# Altium PCB 2-quilter-output.PcbDoc (part 6 of 26) (continued)
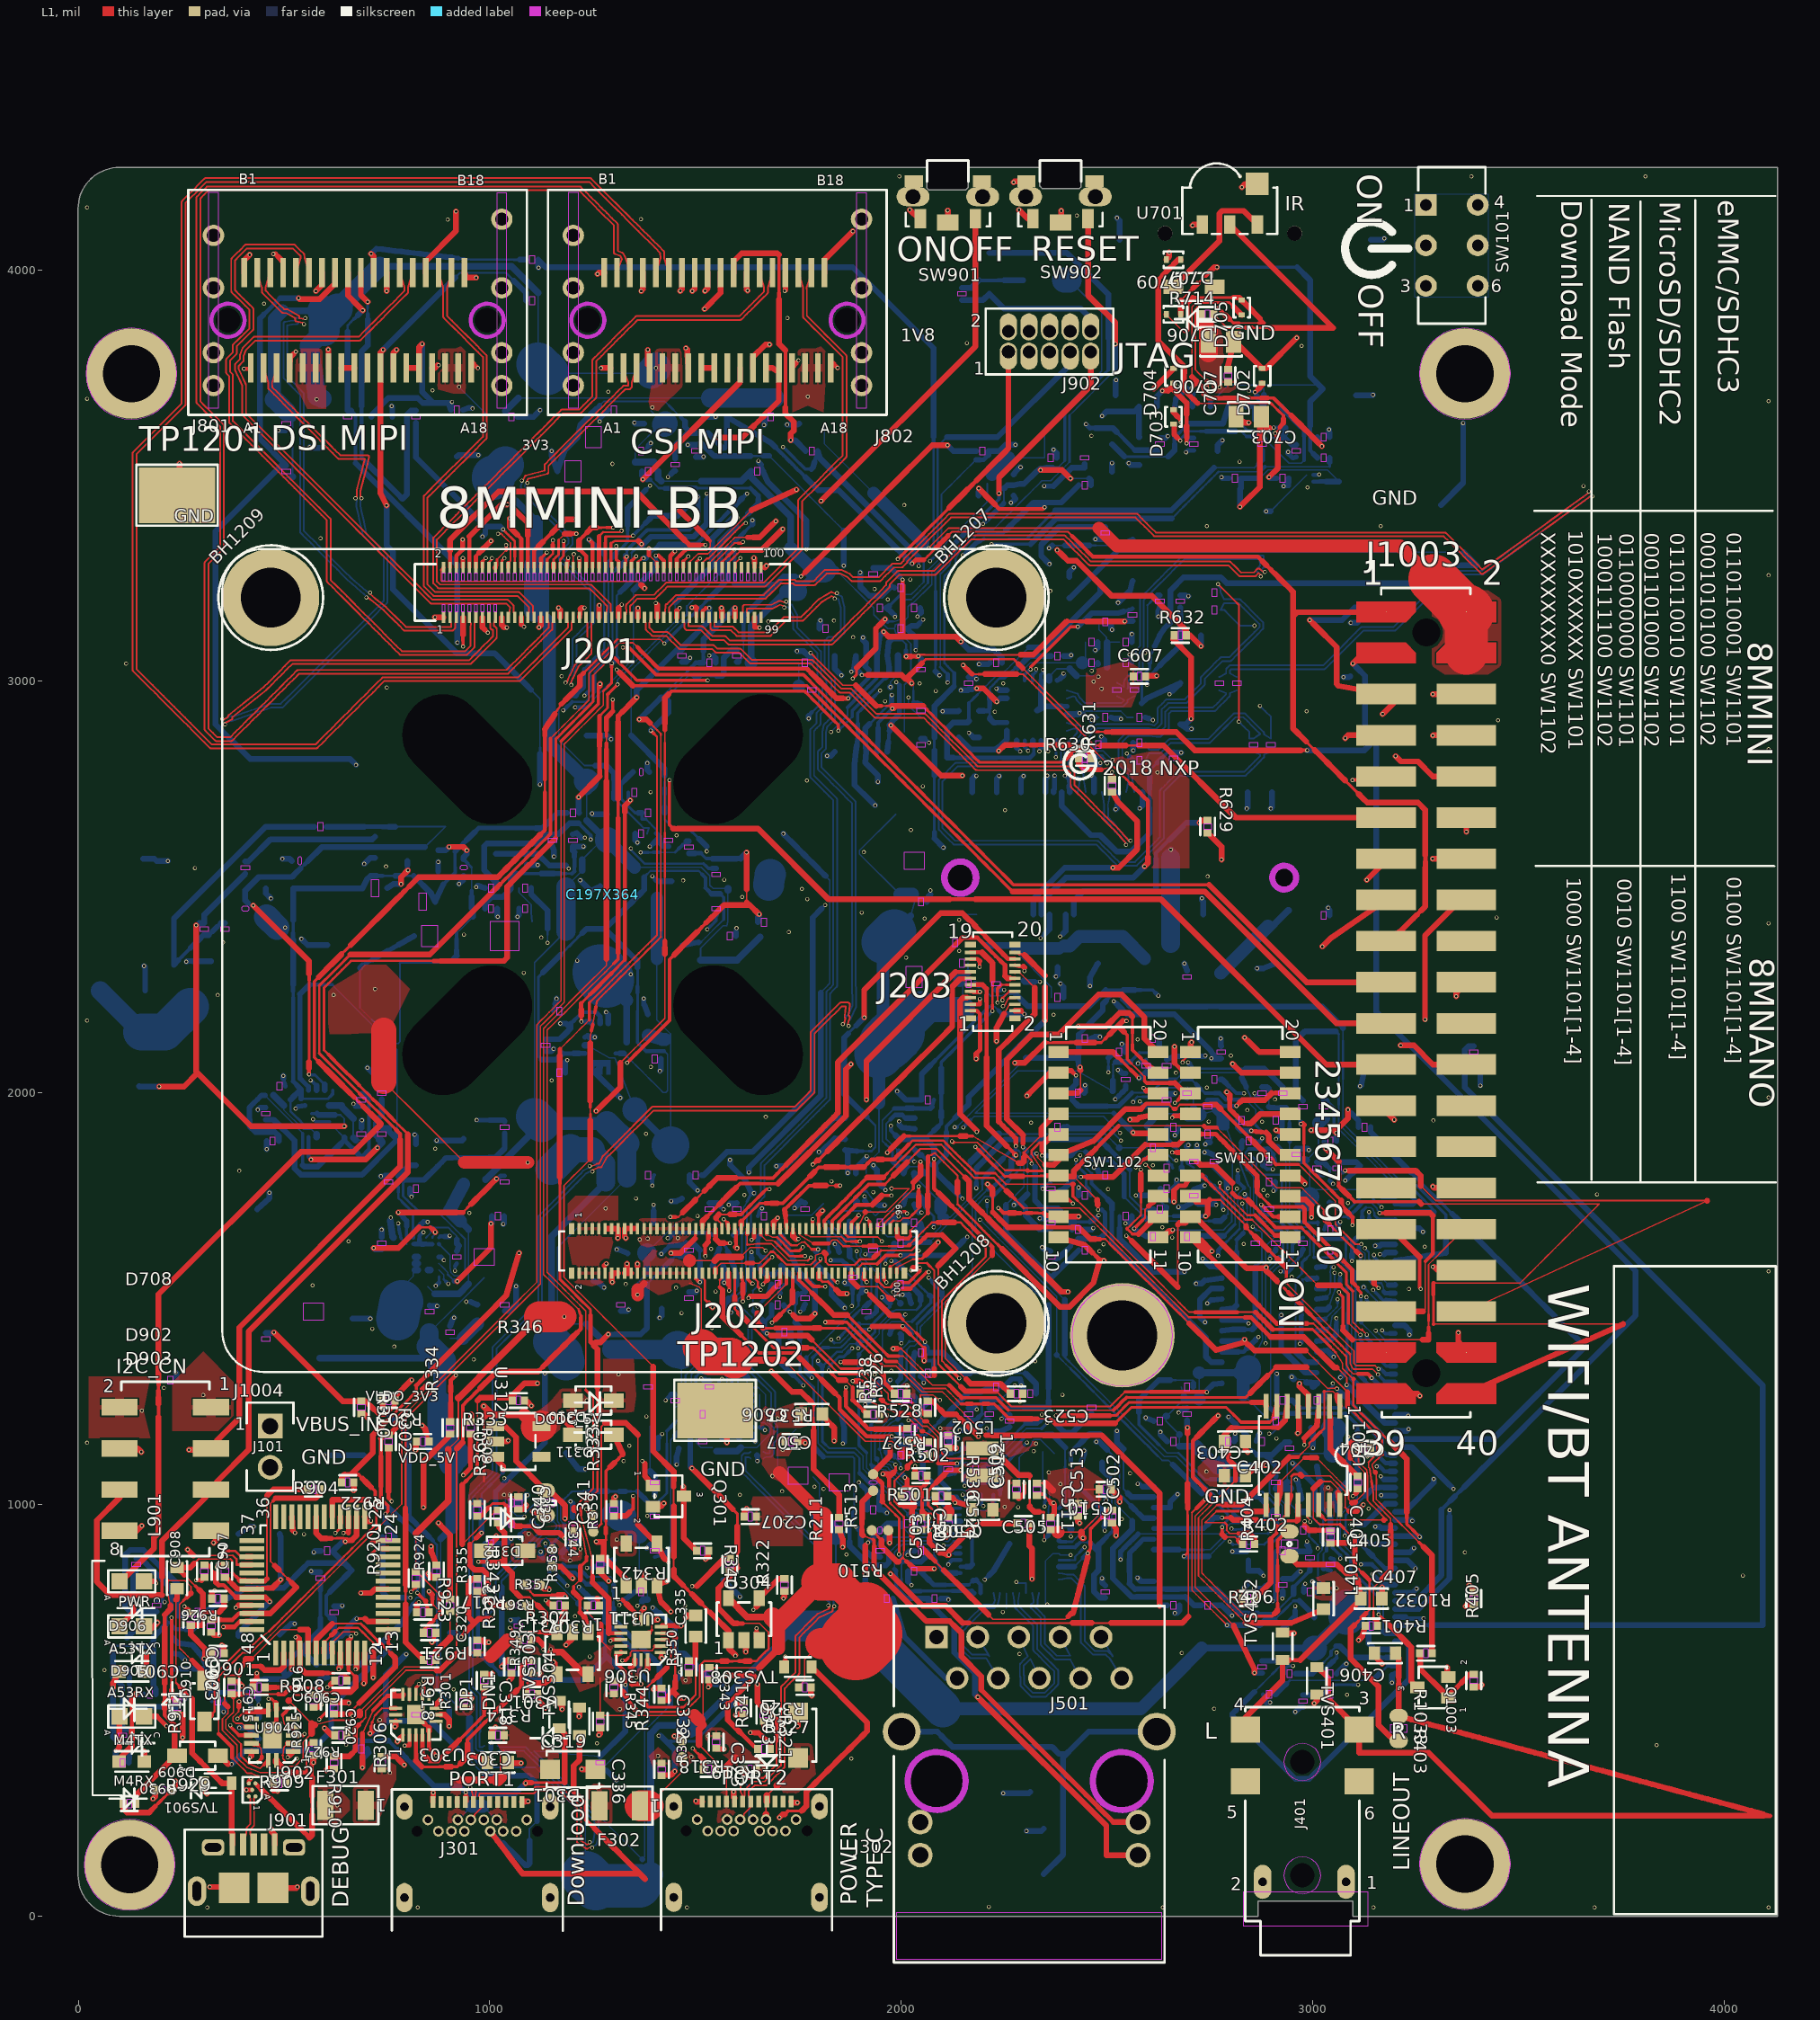
[diagram p0: L1 view]
## Nets (pads, with @x,y where several pads share a name; then routed paths per layer and width w, separated by ;. In a path a pad name is that pad's centre, name@x,y a point inside that pad or via, vN(x,y) a via of type N, cw(c..) or ccw(c..) an arc to the next point about the centre after c; other vN are vias at no path point) (continued)
DSI_EN: J202.54 J801.A11 R805.2 | length 3203.3
  L1 w7.92: J202.54@1627.26,1561.93 1627.26,1546.5 v1@1637.36,1536.4
  L1 w8.94: v1@1637.36,1536.4 v1(1639.32,1536.4)
  L1 w14.05: v1(740.88,3805.71) 734.17,3799 J801.A11@734.18,3761.22 734.17,3457.04 v1(749.33,3427.61)
  L3 w5.87: 1510.26,1648.41 1519.52,1639.16 1528.78,1629.9 v1(1538.03,1620.65)
  L3 w6.9: 1356.47,1905.49 1356.47,1890.45 1366.88,1880.04 1377.28,1869.64 1387.69,1859.23 1398.1,1848.82 1408.5,1838.42 1418.91,1828.01 1429.32,1817.61 1439.72,1807.2 1450.13,1796.79 1460.53,1786.39 1470.94,1775.98 1481.35,1765.57 1491.75,1755.17
  L3 w7.92: 1356.47,1905.49 1356.47,1920.54 ; 1491.75,1755.17 1491.75,1740.46 1491.75,1725.75 1491.75,1711.05 1491.75,1696.34 1491.75,1681.63 1491.75,1666.92 1501.01,1657.67 1510.26,1648.41
  L3 w14.05: v1(1122.41,2749.52) 1122.42,2639.45 1273.33,2488.54 1273.33,2229.35 1356.47,2146.21 1356.47,2131.17 1356.47,2116.12 1356.47,2101.08 1356.47,2086.03 1356.47,2070.99 1356.47,2055.94 1356.47,2040.9 1356.47,2025.85 1356.47,2010.81 1356.47,1995.76 1356.47,1980.72 1356.47,1965.67 1356.47,1950.63 1356.47,1935.58 1356.47,1920.54
  L6 w7.92: v1(1538.03,1620.65) 1548.56,1610.11
  L6 w8.94: 1630.8,1536.4 v1(1639.32,1536.4)
  L6 w13.03: 1611.74,1546.93 1622.27,1536.4 1630.8,1536.4
  L6 w14.05: 1548.56,1610.11 1559.09,1599.58 1569.62,1589.05 1580.15,1578.52 1590.68,1567.99 1601.21,1557.46 1611.74,1546.93
  L8 w3.83: 1100.41,2979.73 1111.44,2968.71 1122.41,2957.73 1122.41,2942.86 1122.41,2927.98 1122.41,2913.11 1122.41,2898.24 1122.41,2883.37 1122.41,2868.5 1122.41,2853.62 1122.41,2838.75
  L8 w4.85: 916.74,3981.57 927.65,3992.49 941.67,3992.49 955.68,3992.49 969.7,3992.49 983.71,3992.49 997.72,3992.49 1011.74,3992.49 1025.75,3992.49 1039.76,3992.49 1049.41,3982.84
  L8 w5.87: 1049.41,3982.84 1059.06,3973.19
  L8 w6.9: 1122.41,2823.88 1122.41,2838.75
  L8 w14.05: v1(740.88,3805.71) 752.98,3817.81 763.9,3828.73 774.82,3839.65 785.73,3850.56 796.65,3861.48 807.57,3872.4 818.48,3883.31 829.4,3894.23 840.32,3905.15 851.24,3916.07 862.15,3926.98 873.07,3937.9 883.99,3948.82 894.9,3959.73 905.82,3970.65 916.74,3981.57 ; v1(749.33,3427.61) 749.33,3329.76 765.33,3313.76 765.33,3223.27 920.66,3067.94 1012.2,3067.94 1023.23,3056.91 1034.26,3045.89 1045.28,3034.86 1056.31,3023.84 1067.33,3012.81 1078.36,3001.78 1089.39,2990.76 1100.41,2979.73 ; 1059.06,3973.19 1068.71,3963.54 1078.36,3953.89 1088.01,3944.24 R805.2@1088.01,3925.06 ; v1(1122.41,2749.52) 1122.41,2764.39 1122.41,2779.26 1122.41,2794.14 1122.41,2809.01 1122.41,2823.88
DSI_TS_NINT: J202.52 J801.B9 R801.2 | length 3048.9
  L1 w7.92: J202.52@1613.42,1548.98 1615.35,1536.03 ; v1(1615.35,1492.91) 1615.35,1501.86 1615.35,1510.8
  L1 w8.94: J202.52@1611.5,1561.94 J202.52@1613.42,1548.98
  L1 w13.03: 1615.35,1510.8 1615.35,1523.41 1615.35,1536.03
  L1 w14.05: J801.B9@655.44,3993.5 655.43,3937.39 679.36,3913.46 v1(691.32,3901.5)
  L3 w3.83: 1542.44,1632.16 1553.41,1621.19
  L3 w4.85: 1553.41,1621.19 1564.38,1610.23 1575.34,1599.26 1586.31,1588.3 1597.27,1577.33 1608.24,1566.37 1608.24,1554.2 1608.24,1542.04 1608.24,1529.88
  L3 w5.87: 1426.25,1924.64 1426.25,1939.51 ; 1426.25,2043.59 1426.25,2058.46 ; 1542.44,1632.16 1542.44,1646.76 ; 1542.44,1690.56 1542.44,1705.16 1542.44,1719.77
  L3 w6.9: 1292.16,2237.15 1302.47,2226.83 1312.79,2216.52 1323.1,2206.2 ; 1415.93,2113.38 1426.25,2103.06 1426.25,2088.19 1426.25,2073.32 1426.25,2058.46 ; 1426.25,1939.51 1426.25,1954.38 1426.25,1969.25 1426.25,1984.11 1426.25,1998.98 1426.25,2013.85 1426.25,2028.72 1426.25,2043.59
  L3 w7.92: 1323.1,2206.2 1333.42,2195.89 1343.73,2185.58 1354.04,2175.26 1364.36,2164.95 1374.67,2154.63 1384.99,2144.32 1395.3,2134 1405.62,2123.69 1415.93,2113.38 ; 1608.24,1517.72 1608.24,1529.88 ; v1(1615.35,1492.91) 1615.35,1501.76 1615.35,1510.61
  L3 w9.96: 1426.25,1909.77 1426.25,1924.64
  L3 w12.01: 1105.81,2980.12 1116.77,2969.16 ; 1160.62,2925.31 1171.58,2914.35
  L3 w13.03: 1292.16,2237.15 1292.16,2252.61 1292.16,2268.07 1292.16,2283.53 1292.16,2299 1292.16,2314.46 1292.16,2329.92 1292.16,2345.38 1292.16,2360.84 1292.16,2376.3 1292.16,2391.77 1292.16,2407.23 1292.16,2422.69 1292.16,2438.15 1292.16,2453.61 1292.16,2469.08 1292.16,2484.54 1292.16,2500
  L3 w14.05: v1(921.54,3094.41) 927.81,3100.69 985.24,3100.69 996.2,3089.73 1007.16,3078.77 1018.12,3067.81 1029.08,3056.84 1040.04,3045.88 1051,3034.92 1061.97,3023.96 1072.93,3013 1083.89,3002.04 1094.85,2991.08 1105.81,2980.12 ; 1116.77,2969.16 1127.73,2958.19 1138.69,2947.23 1149.65,2936.27 1160.62,2925.31 ; 1171.58,2914.35 1182.54,2903.39 1193.5,2892.43 1204.46,2881.47 1215.42,2870.51 1226.38,2859.54 1237.34,2848.58 1248.31,2837.62 1259.27,2826.66 1270.23,2815.7 1281.19,2804.74 1292.16,2793.77 1292.16,2778.31 1292.16,2762.85 1292.16,2747.39 1292.16,2731.93 1292.16,2716.46 1292.16,2701 1292.16,2685.54 1292.16,2670.08 1292.16,2654.62 1292.16,2639.16 1292.16,2623.69 1292.16,2608.23 1292.16,2592.77 1292.16,2577.31 1292.16,2561.85 1292.16,2546.38 1292.16,2530.92 1292.16,2515.46 1292.16,2500 ; 1426.25,1909.77 1426.25,1894.9 1426.25,1880.03 1426.25,1865.17 1542.44,1748.97 1542.44,1734.37 1542.44,1719.77 ; 1542.44,1646.76 1542.44,1661.36 1542.44,1675.96 1542.44,1690.56 ; 1608.24,1517.72 1615.35,1510.61
  L8 w5.87: 654.88,3850.24 654.88,3865.06 662.98,3873.16 671.08,3881.26
  L8 w7.92: 685.25,3895.43 v1(691.32,3901.5)
  L8 w8.94: R801.2@663.43,3657.58 674.09,3646.92 674.09,3632.33 674.09,3617.74 674.09,3603.15 674.09,3588.56 674.09,3573.97 674.09,3559.38 674.09,3544.79 674.09,3530.2 ; 671.08,3881.26 679.18,3889.36
  L8 w14.05: 654.88,3850.24 654.88,3835.42 654.88,3820.6 654.88,3805.78 654.88,3790.96 654.88,3776.14 654.88,3761.32 654.88,3746.5 654.88,3731.68 654.88,3716.86 654.88,3702.04 654.88,3687.22 654.88,3672.4 R801.2@654.88,3657.59 R801.2@663.43,3657.58 ; 674.09,3530.2 921.54,3282.75 921.54,3111.44 v1(921.54,3094.41) ; 679.18,3889.36 685.25,3895.43
DSI_TS_SCL: J801.B11 R810.1 | length 431
  L1 w14.05: v1(711.8,4038.81) 718.43,4032.19 J801.B11@718.43,3993.5
  L8 w4.85: 938.29,4026.46 953.58,4024.68 968.51,4024.68 983.45,4024.68 998.39,4024.68 1013.33,4024.68 1028.26,4024.68 1043.2,4024.68 1058.14,4024.68
  L8 w6.9: 1058.14,4024.68 1073.07,4024.68
  L8 w7.92: 923.01,4028.24 938.29,4026.46
  L8 w12.01: 907.73,4030.01 923.01,4028.24
  L8 w14.05: v1(711.8,4038.81) 724.32,4051.33 739.61,4049.55 754.89,4047.78 770.17,4046 785.46,4044.23 800.74,4042.45 816.02,4040.67 831.31,4038.9 846.59,4037.12 861.87,4035.34 877.16,4033.57 892.44,4031.79 907.73,4030.01 ; 1073.07,4024.68 R810.1@1088.01,4024.67
DSI_TS_SDA: J801.B10 R808.1 | length 838.9
  L1 w14.05: J801.B10@686.93,3993.5 686.93,3938.29 v1(703.33,3921.88)
  L8 w4.85: 703.33,3893.01 703.33,3906.73
  L8 w6.9: 703.33,3906.73 v1(703.33,3921.88)
  L8 w9.96: 688.82,3668.48 688.82,3652.78 688.82,3637.07 688.82,3621.36 688.82,3605.65 688.82,3589.94 688.82,3574.23 688.82,3558.52 688.82,3542.81 699.87,3531.77 ; 703.33,3879.28 703.33,3893.01
  L8 w14.05: 688.82,3668.48 688.82,3684.19 688.82,3699.9 688.82,3715.61 688.82,3731.32 688.82,3747.03 688.82,3762.74 688.82,3778.45 688.82,3794.16 688.82,3801.49 703.33,3816 703.33,3838.1 703.33,3851.83 703.33,3865.56 703.33,3879.28 ; 699.87,3531.77 710.92,3520.72 721.96,3509.67 733.01,3498.63 744.05,3487.58 755.1,3476.54 766.14,3465.49 777.19,3454.45 788.23,3443.4 799.28,3454.44 799.28,3648.27 808.59,3657.58 R808.1@820.75,3657.58
ECSPI2_MISO: J201.16 J1003.21 | length 2667.8
  L1 w5.87: J201.16@998.05,3289.09 1005.65,3296.69 v1(1005.65,3299.26)
  L1 w6.9: J201.16@998.05,3276.42 J201.16@998.05,3289.09 ; 1347.93,2989.3 1363.6,2989.3 1379.26,2989.3 1394.92,2989.3 1410.59,2989.3 1426.25,2989.3 1441.91,2989.3 1457.57,2989.3 1473.24,2989.3 1488.9,2989.3 1504.56,2989.3 1520.23,2989.3 1535.89,2989.3 1551.55,2989.3 1567.21,2989.3 1582.88,2989.3 1598.54,2989.3 1614.2,2989.3 1629.87,2989.3 1645.53,2989.3 1661.19,2989.3 1676.85,2989.3 1692.52,2989.3 1708.18,2989.3 1723.84,2989.3 1739.51,2989.3 1755.17,2989.3 1770.83,2989.3
  L1 w7.92: v1(1309,3028.23) 1314.67,3022.57 ; 1770.83,2989.3 1781.94,2978.19 1793.05,2967.09 1804.16,2955.98 1815.26,2944.87 1826.37,2933.76 1837.48,2922.65 1848.59,2911.54 1859.7,2900.44 1870.81,2889.33 1881.91,2878.22 1893.02,2867.11 1904.13,2856 1915.24,2844.9 1926.35,2833.79 1937.45,2822.68 1948.56,2811.57 1959.67,2800.46 1970.78,2789.35 1981.89,2778.25 1993,2767.14 2004.1,2756.03 2015.21,2744.92 2026.32,2733.81 2037.43,2722.71 2048.54,2711.6 2059.64,2700.49 2070.75,2689.38 2081.86,2678.27 2092.97,2667.16 2104.08,2656.06 2115.19,2644.95 2126.29,2633.84 2137.4,2622.73 2148.51,2611.62 2159.62,2600.52 2170.73,2589.41 2181.83,2578.3 2192.94,2567.19 2204.05,2556.08 2215.16,2544.97 2226.27,2533.87 2237.38,2522.76 2248.48,2511.65 2259.59,2500.54 2270.7,2489.43
  L1 w14.05: 1314.67,3022.57 1320.33,3016.9 1347.93,2989.3 ; 2270.7,2489.43 2737.54,2489.43 3058.19,2168.78 J1003.21@3179.19,2168.79
  L6 w3.83: v1(1005.65,3299.26) 1016.49,3288.42 1027.34,3277.58 ; 1222.48,3082.44 1233.32,3071.6
  L6 w4.85: 1027.34,3277.58 1038.18,3266.74 1049.02,3255.9 1059.86,3245.06 1070.7,3234.22 1081.54,3223.38 1092.38,3212.53 1103.22,3201.69 1114.07,3190.85 1124.91,3180.01 1135.75,3169.17 1146.59,3158.33 1157.43,3147.49 1168.27,3136.65 1179.11,3125.8 1189.95,3114.96 1200.79,3104.12 1211.64,3093.28 1222.48,3082.44
  L6 w5.87: 1233.32,3071.6 1244.16,3060.76
  L6 w12.01: 1287.46,3028.23 1298.23,3028.23 v1(1309,3028.23)
  L6 w14.05: 1244.16,3060.76 1255,3049.92 1265.84,3039.08 1276.68,3028.23 1287.46,3028.23
ECSPI2_MOSI: J201.18 J1003.19 | length 2688.3
  L1 w3.5: 1017.88,3296.47 1028.88,3307.47 1039.88,3318.47
  L1 w5.87: J201.18@1013.79,3276.42 1017.88,3280.51 1017.88,3288.49 1017.88,3296.47
  L1 w7.92: 1039.88,3318.47 v1(1039.88,3330.86) ; 1404.79,3016.19 1420.35,3016.19 1435.91,3016.19 1451.46,3016.19 1467.02,3016.19 1482.58,3016.19 1498.14,3016.19 1513.69,3016.19 1529.25,3016.19 1544.81,3016.19 1560.37,3016.19 1575.92,3016.19 1591.48,3016.19 1607.04,3016.19 1622.6,3016.19 1638.15,3016.19 1653.71,3016.19 1669.27,3016.19 1684.83,3016.19 1700.39,3016.19 1715.94,3016.19 1731.5,3016.19 1747.06,3016.19 1762.62,3016.19 1773.71,3005.09 1784.81,2993.99 1795.91,2982.9 1807.01,2971.8 1818.1,2960.7 1829.2,2949.6 1840.3,2938.51 1851.4,2927.41 1862.49,2916.31 1873.59,2905.21 1884.69,2894.12 1895.79,2883.02 1906.88,2871.92 1917.98,2860.82 1929.08,2849.73 1940.18,2838.63 1951.27,2827.53 1962.37,2816.43 1973.47,2805.34 1984.57,2794.24 1995.66,2783.14 2006.76,2772.04 2017.86,2760.95 2028.96,2749.85 2040.05,2738.75 2051.15,2727.65 2062.25,2716.56 2073.35,2705.46 2084.44,2694.36 2095.54,2683.26 2106.64,2672.17 2117.74,2661.07 2128.83,2649.97 2139.93,2638.87 2151.03,2627.78 2162.13,2616.68 2173.22,2605.58 2184.32,2594.48 2195.42,2583.39 2206.52,2572.29 2217.61,2561.19 2228.71,2550.09 2239.81,2539 2250.91,2527.9 2262,2516.8 2273.1,2505.7 2288.44,2505.7 2303.78,2505.7 2319.12,2505.7 2334.46,2505.7 2349.8,2505.7 2365.14,2505.7 2380.48,2505.7 2395.82,2505.7 2411.15,2505.7 2426.49,2505.7 2441.83,2505.7 2457.17,2505.7 2472.51,2505.7 2487.85,2505.7 2503.19,2505.7 2518.53,2505.7 2533.87,2505.7 2549.21,2505.7 2564.55,2505.7 2579.89,2505.7 2595.23,2505.7 2610.57,2505.7 2625.91,2505.7 2641.24,2505.7 2656.58,2505.7 2671.92,2505.7 2687.26,2505.7 2702.6,2505.7 2717.94,2505.7 2733.28,2505.7 2748.62,2505.7
  L1 w8.94: v1(1323.81,3081.87) 1339.11,3081.87 1350.06,3070.92 1361.01,3059.97 1371.95,3049.03 1382.9,3038.08 1393.85,3027.13 1404.79,3016.19
  L1 w14.05: 2748.62,2505.7 2985.54,2268.78 J1003.19@3179.19,2268.79
  L6 w3.83: 1023.88,3294.65 1034.51,3284.01 1045.15,3273.37 1055.79,3262.73 1066.43,3252.09 1077.07,3241.45 1087.71,3230.81 1098.35,3220.17 1108.99,3209.54 1119.63,3198.9 1130.27,3188.26 1140.91,3177.62 1151.55,3166.98 1162.18,3156.34 1172.82,3145.7 1183.46,3135.06 1194.1,3124.42 1204.74,3113.78 1215.38,3103.14 1226.02,3092.5 1236.66,3081.87
  L6 w4.85: 1023.88,3294.65 1023.88,3304.75 ; 1236.66,3081.87 1251.18,3081.87
  L6 w6.9: 1023.88,3304.75 1023.88,3314.85
  L6 w9.96: 1023.88,3314.85 1031.88,3322.86 v1(1039.88,3330.86)
  L6 w14.05: 1251.18,3081.87 1265.71,3081.87 1280.24,3081.87 1294.76,3081.87 1309.29,3081.87 v1(1323.81,3081.87)
ECSPI2_SCLK: J201.14 J1003.23 | length 3038.4
  L1 w6.9: 982.3,3291.09 v1@990.54,3299.32
  L1 w7.92: v1@990.54,3299.32 v1(990.54,3299.51) ; v1(1437.09,2759.93) 1437.09,2745.45 1437.09,2730.98 1437.09,2716.5 1437.09,2702.02 1437.09,2687.55 1437.09,2673.07 1437.09,2658.59 1437.09,2650.47 1445.89,2641.66
  L1 w9.96: J201.14@982.29,3276.42 982.3,3291.09 ; 2118.58,2470.1 2134.1,2470.1 2149.61,2470.1 2165.12,2470.1 2180.63,2470.1
  L1 w13.03: 1448.54,2641.66 1457.54,2641.66
  L1 w14.05: 1445.89,2641.66 1448.54,2641.66 ; 1457.58,2641.65 1652.29,2641.65 1823.84,2470.1 1839.35,2470.1 1854.87,2470.1 1870.38,2470.1 1885.89,2470.1 1901.4,2470.1 1916.92,2470.1 1932.43,2470.1 1947.94,2470.1 1963.45,2470.1 1978.97,2470.1 1994.48,2470.1 2009.99,2470.1 2025.51,2470.1 2041.02,2470.1 2056.53,2470.1 2072.04,2470.1 2087.56,2470.1 2103.07,2470.1 2118.58,2470.1 ; 2180.63,2470.1 2196.15,2470.1 2211.66,2470.1 2227.17,2470.1 2242.68,2470.1 2258.2,2470.1 2273.71,2470.1 2289.22,2470.1 2304.74,2470.1 2320.25,2470.1 2335.76,2470.1 2351.27,2470.1 2366.79,2470.1 2382.3,2470.1 2397.81,2470.1 2413.33,2470.1 2428.84,2470.1 2444.35,2470.1 2459.86,2470.1 2475.38,2470.1 2490.89,2470.1 2506.4,2470.1 2521.92,2470.1 2537.43,2470.1 2552.94,2470.1 2568.45,2470.1 2583.97,2470.1 2599.48,2470.1 2614.99,2470.1 2632.23,2470.1 3033.55,2068.78 J1003.23@3179.19,2068.79
  L6 w5.87: 1089.46,3144.1 1100.45,3133.11 1111.44,3122.12 1122.43,3111.12
  L6 w6.9: 1078.47,3155.09 1089.46,3144.1
  L6 w8.94: 1434.85,2668.09 1437.09,2670.33 1437.09,2685.27 1437.09,2700.2 1437.09,2715.13 1437.09,2730.07 1437.09,2745 v1(1437.09,2759.93)
  L6 w10.99: 990.54,3285.39 v1(990.54,3299.51) ; 1276.31,2957.25 1287.3,2946.26 1298.29,2935.27
  L6 w14.05: 990.54,3285.39 990.54,3271.26 990.54,3257.14 990.54,3243.02 1001.53,3232.03 1012.52,3221.03 1023.51,3210.04 1034.5,3199.05 1045.5,3188.06 1056.49,3177.07 1067.48,3166.08 1078.47,3155.09 ; 1122.43,3111.12 1133.42,3100.13 1144.41,3089.14 1155.41,3078.15 1166.4,3067.16 1177.39,3056.17 1188.38,3045.18 1199.37,3034.19 1210.36,3023.2 1221.35,3012.21 1232.34,3001.22 1243.33,2990.22 1254.32,2979.23 1265.32,2968.24 1276.31,2957.25 ; 1298.29,2935.27 1309.28,2924.28 1320.27,2913.29 1331.26,2902.3 1342.25,2891.31 1353.24,2880.31 1364.23,2869.32 1364.24,2719.73 1415.88,2668.09 1434.85,2668.09
ECSPI2_SS0: J201.12 J1003.24 | length 3184.1
  L1 w9.96: J201.12@966.56,3276.42 966.56,3290.39 966.56,3304.37 974.71,3312.53
  L1 w14.05: 974.71,3312.53 982.87,3320.69 991.03,3328.84 v1(1003.26,3341.08) ; v1(3214.42,2115.14) 3246.53,2115.14 3292.89,2068.78 J1003.24@3374.07,2068.79
  L3 w3.5: 1231.93,3384.28 1246.96,3384.28 1261.98,3384.28 1277.01,3384.28 1292.03,3384.28 1307.06,3384.28 1322.08,3384.28 1337.11,3384.28 1352.13,3384.28 1367.16,3384.28 1382.18,3384.28 1397.21,3384.28 1412.23,3384.28 1427.26,3384.28 1442.28,3384.28 1457.31,3384.28 1472.33,3384.28 1487.36,3384.28 1502.38,3384.28 1517.41,3384.28 1532.43,3384.28 1547.46,3384.28 ; 1769.37,3221.72 1769.37,3206.42 1769.37,3191.12 1769.37,3175.82 1769.37,3160.52 1769.37,3145.22 1769.37,3129.92 1769.37,3114.62 1769.37,3099.32 1769.37,3084.02 1769.37,3068.72 1769.37,3053.42 1769.37,3038.12 1769.37,3022.82 1769.37,3007.52 1780.22,2996.67 1791.07,2985.83 1801.91,2974.98 1812.76,2964.13 1823.6,2953.29 1834.45,2942.44 1845.3,2931.6 1856.14,2920.75 1866.99,2909.9 1877.84,2899.06 1888.68,2888.21 1899.53,2877.37 1910.37,2866.52 1921.22,2855.67 1932.07,2844.83 1942.91,2833.98 1953.76,2823.14 1964.6,2812.29 1975.45,2801.44 1986.3,2790.6 1997.14,2779.75 2007.99,2768.9 2018.83,2758.06 2029.68,2747.21 2040.53,2736.37 2051.37,2725.52 2062.22,2714.67 2073.06,2703.83 2083.91,2692.98 2094.76,2682.14 2105.6,2671.29 2116.45,2660.44 2127.3,2649.6 2138.14,2638.75 2148.99,2627.91 2164.09,2627.91 2179.2,2627.91 2194.3,2627.91 2209.4,2627.91 2217.5,2627.91 2225.59,2627.91
  L3 w3.83: 1229.51,3381.85 1231.93,3384.28 ; 1547.46,3384.28 1557.11,3374.63 ; 1576.41,3355.32 1586.07,3345.67 1595.72,3336.02 1605.37,3326.37 1615.02,3316.71
  L3 w4.85: 1127.24,3381.85 1141.85,3381.85 ; 1171.07,3381.85 1185.68,3381.85 1200.29,3381.85 1214.9,3381.85 1229.51,3381.85 ; 1566.76,3364.98 1576.41,3355.32
  L3 w5.87: 1141.85,3381.85 1156.46,3381.85 1171.07,3381.85
  L3 w8.94: 1030.55,3344.68 1045.43,3344.68 ; 1674.38,3316.71 1684.93,3306.16 1695.49,3295.61 ; 1737.7,3253.39 1748.26,3242.84
  L3 w9.96: v1(1003.26,3341.08) 1015.1,3341.08 ; 1557.11,3374.63 1566.76,3364.98 ; 1748.26,3242.84 1758.81,3232.28
  L3 w10.99: 1045.43,3344.68 1060.31,3344.68
  L3 w12.01: 1695.49,3295.61 1706.04,3285.05 1716.6,3274.5 1727.15,3263.94 1737.7,3253.39 ; 1758.82,3232.28 1769.37,3221.72
  L3 w14.05: 1015.1,3341.08 1026.94,3341.08 1030.55,3344.68 ; 1060.31,3344.68 1075.19,3344.68 1090.07,3344.68 1127.24,3381.85 ; 1615.02,3316.71 1674.38,3316.71 ; 2225.59,2627.91 2478.77,2374.72 3031.88,2374.72 3214.42,2192.19 v1(3214.42,2115.14)
EN_SNK1: R342.1 U303.2 | length 1005.1
  L1 w9.96: v1(793.47,413.73) 793.66,413.91 805.02,413.91 805.02,426.52 U303.2@805.01,439.33
  L1 w14.05: v1(1524.63,867.17) 1531.12,873.66 1531.12,882.46 R342.1@1532.24,886.97
  L6 w10.99: 1392.44,727.77 1404.46,734.51 1413.77,739.73
  L6 w12.01: v1(793.47,413.73) 807.9,413.73
  L6 w14.05: 807.9,413.73 822.34,413.73 836.77,413.73 851.2,413.73 865.63,413.73 880.06,413.73 894.49,413.73 908.92,413.73 923.35,413.73 1004.8,495.18 1068.5,495.18 1274.13,700.81 1344.34,700.81 1356.37,707.56 1368.4,714.29 1380.42,721.03 1392.44,727.77 ; 1413.77,739.73 1423.07,744.94 1462.76,784.63 1498.88,784.63 1524.62,810.37 v1(1524.63,867.17)
EN_SNK2: R335.1 R360.1 U306.2 | length 1094.3
  L1 w3.5: 1342.09,639.85 1346.04,643.8 1361.1,643.8 1376.17,643.8 1391.23,643.8 1395.71,644.42 U306.2@1401.85,655.41
  L1 w3.83: 1336.47,626.11 1342.09,631.73 1342.09,639.85
  L1 w4.85: 1097.13,774.09 1106.68,764.55 1116.22,755
  L1 w5.87: 1074.81,774.09 1085.97,774.09 1097.13,774.09
  L1 w7.92: v1(1322.53,620.5) 1330.86,620.5 1336.47,626.11
  L1 w9.96: v1(972.44,860.06) 986.15,860.06 999.86,860.06 1013.58,860.06 ; U306.2@1401.85,655.41 U306.2@1417.4,655.4
  L1 w10.99: 1013.58,860.06 1027.29,860.06
  L1 w14.05: v1(819.42,1131.24) 819.42,1134.56 R335.1@822.59,1152.6 ; R360.1@1019.83,955.22 1023.82,943.03 1035.86,931 1035.86,851.49 1046.34,841.01 1054.19,833.16 ; 1027.29,860.06 1054.19,833.16 ; 1074.8,774.09 1054.19,794.7 1054.19,833.16 ; 1116.22,755 1125.77,745.46 1135.31,735.91 v1(1135.31,710)
  L3 w6.9: 884.4,968.19 887.98,964.6 887.98,954.56 887.98,944.51 ; 1161.51,683.8 1175.47,683.8 1189.43,683.8 1203.39,683.8 1217.35,683.8 1231.31,683.8 1245.27,683.8 1259.23,683.8 1269.78,673.25 ; 1280.33,662.7 1290.88,652.15
  L3 w7.92: v1(1135.31,710) 1144.05,701.27 ; 1152.78,692.54 1161.51,683.8 ; 1269.78,673.25 1280.33,662.7 ; 1290.88,652.15 1301.43,641.6 1311.98,631.05 v1(1322.53,620.5)
  L3 w10.99: 1144.05,701.27 1152.78,692.54
  L3 w12.01: 887.98,944.51 898.54,933.95 909.1,923.4 919.65,912.84 930.21,902.28 940.77,891.73 951.32,881.17 961.88,870.61 v1(972.44,860.06)
  L3 w14.05: v1(819.42,1131.24) 884.4,1066.26 884.4,968.19
EN_SRC1: R332.2 U302.G1 | length 1321.1
  L1 w12.01: v1@1028.89,606.13 1036.82,614.05 R332.2@1044.75,621.98
  L1 w14.05: v1(1028.89,605.92) v1@1028.89,606.13 ; R332.2@1044.75,621.98 R332.2@1053,619.51
  L8 w3.5: 1127.46,912.4 1137.49,918.05 1144.85,910.69 1151.51,904.03 ; 1172.7,1003.76 1172.7,989.76 1172.7,975.76 1172.7,961.76 1177.37,954.83 1181.95,950.25 ; 1462.27,1216.68 1467.19,1228.78 1472.1,1240.88 ; 1476.04,1313.14 1484.45,1321.55 1492.87,1329.97 1501.29,1338.39 1515.82,1338.39 1530.35,1338.39 1544.88,1338.39 1559.42,1338.39 1573.95,1338.39 1583.43,1328.91 1592.91,1319.43 1602.38,1309.95 1603.31,1309.03 1603.31,1300.47 1603.31,1291.91 1594.75,1283.35 1586.19,1274.8 U302.G1@1577.64,1266.24
  L8 w3.83: 1125.16,910 1125.16,910.09 1127.46,912.4 ; 1430.7,1147.75 1430.7,1162.84 1430.7,1177.92 ; 1457.36,1204.59 1462.27,1216.68 ; 1474.07,1251.08 1476.04,1261.28
  L8 w4.85: 1028.89,740.49 1028.89,755.14 1028.89,769.79 ; 1028.89,799.09 1028.89,813.74 1039.59,824.43 1050.29,835.13 1060.98,845.82 1071.68,856.52 1082.37,867.22 1093.07,877.91 1103.77,888.61 1114.46,899.3 1125.16,910 ; 1162.44,913.55 1172.66,923.77 1181.95,933.06 ; 1181.92,1012.99 1191.15,1022.21 1200.37,1031.44 1214.77,1031.44 1229.16,1031.44 ; 1344.3,1031.44 1358.69,1031.44 ; 1472.1,1240.88 1474.07,1251.08
  L8 w5.87: 1172.7,1003.76 1181.92,1012.99 ; 1301.12,1031.44 1315.51,1031.44 ; 1329.9,1031.44 1344.3,1031.44 ; 1406.84,1003.18 1414.79,1011.13 1422.74,1019.09 1430.7,1027.04 1430.7,1042.13 1430.7,1057.22 1430.7,1072.31 1430.7,1087.39 1430.7,1102.48 1430.7,1117.57 1430.7,1132.66 1430.7,1147.75 ; 1476.04,1261.28 1476.04,1274.25 1476.04,1287.21 1476.04,1300.17 1476.04,1313.14
  L8 w6.9: 1286.73,1031.44 1301.12,1031.44
  L8 w7.92: 1430.7,1177.92 1439.58,1186.81 ; 1448.47,1195.7 1457.36,1204.59
  L8 w8.94: v1(1028.89,605.92) 1028.89,614.61 ; 1152.91,904.03 1162.44,913.55 ; 1229.16,1031.44 1243.55,1031.44
  L8 w9.96: 1181.95,933.06 1181.95,941.66 ; 1386.94,1003.18 1396.89,1003.18 1406.84,1003.18 ; 1439.58,1186.81 1448.47,1195.7
  L8 w10.99: 1181.95,941.66 1181.95,950.25
  L8 w12.01: 1358.69,1031.44 1368.11,1022.02 ; 1377.53,1012.6 1386.94,1003.18
  L8 w13.03: 1151.51,904.03 1152.91,904.03 ; 1315.51,1031.44 1329.9,1031.44
  L8 w14.05: 1028.89,614.61 1028.89,623.31 1028.89,637.95 1028.89,652.6 1028.89,667.25 1028.89,681.9 1028.89,696.55 1028.89,711.2 1028.89,725.85 1028.89,740.49 ; 1028.89,769.79 1028.89,784.44 1028.89,799.09 ; 1243.55,1031.44 1257.94,1031.44 1272.34,1031.44 1286.73,1031.44 ; 1368.11,1022.02 1377.53,1012.6
EN_SRC2: R334.2 U305.G1 | length 382.2
  L1 w9.96: 905.39,1246.34 905.39,1260.07 905.39,1273.81 ; 905.39,1287.55 905.39,1301.29 911.58,1307.48 v1(917.77,1313.67)
  L1 w14.05: R334.2@903.71,1200.56 905.39,1205.12 905.39,1218.86 905.39,1232.6 905.39,1246.34 ; 905.39,1273.81 905.39,1287.55
  L3 w14.05: v1(868.62,1530.6) 868.62,1509.01 890.95,1486.68 890.95,1340.5 v1(917.77,1313.67)
  L8 w5.87: 876.73,1538.72 U305.G1@876.72,1553.6
  L8 w10.99: v1(868.62,1530.6) 876.73,1538.72
ENET_AVDD33: C501.1 C503.1 L501.2 U501.16 | length 610.9
  L1 w3.5: 2083.19,1004.23 v1@2093.03,985.1 ; C501.1@2083.19,1019.34 C501.1@2083.32,1019.79 ; v1(2093.97,988.32) 2093.03,987.38 v1@2093.03,985.1 ; 2114.65,996.05 v1@2093.03,985.1 ; C503.1@2114.67,968.14 2114.68,982.21
  L1 w16.55: 2083.19,1004.24 C501.1@2083.19,1019.34 ; 2114.65,982.25 2114.65,996.05
  L1 w31.31: 2114.65,982.25 2114.68,982.21
  L3 w17.83: v1(1935.69,1314.79) 2000.5,1249.98 2000.5,1132.62 ; 2018.88,1114.2 2105.06,1114.2 ; 2093.33,967.46 2098.35,979.4 2098.97,991.56 2105.21,1114.04
  L3 w29.68: 2000.5,1132.62 2011.77,1121.36 ; 2011.77,1121.31 2018.88,1114.2
  L3 w43.26: 2105.06,1114.2 2105.21,1114.04
  L8 w3.5: v1(2280.25,811.47) 2283.26,808.46 2303.43,808.46 U501.16@2303.42,784.12
ENET_AVDDL_1V1: C510.1 C511.1 C512.1 C513.1 L503.1 U501.8 U501.13 U501.19 U501.44 | length 723.1
  L1 w3.5: C512.1@2330.32,1051.16 2351.29,1051.16 ; C511.1@2363.5,938.62 2381.9,932.32 2417.58,932.32 2438.18,932.32 2452.6,946.74 2481.44,975.58 C510.1@2481.45,1036.39 2443.36,1036.38
  L1 w16.55: 2351.29,1051.16 2368.12,1034.32 ; 2438.18,932.32 2438.18,922.46 v1(2442.18,918.46)
  L8 w3.5: 2256.18,747.27 U501.19@2256.18,784.12 ; U501.44@2287.67,1023.3 2287.11,1042.32 2287.11,1114.15 2315.51,1142.55 2319.09,1153.19 2323.78,1157.88 2338.22,1157.88 2372.5,1123.6 ; v1(2355.7,756.07) 2350.65,761.13 2350.65,784.11 2350.65,803.15 2350.65,861.9 2368.84,880.1 U501.8@2383.64,880.09 2387.05,876.7 v1(2412.2,876.7)
  other v1: 2247.39,738.48 2387.39,1049.27 2359.16,1077.57
ENET_DVDDL_1V1: C508.1 C509.1 L502.2 L503.2 R509.1 U501.47
  other v1: 2284.34,992.88 2251.34,993.69 2322.24,1128.84 2392.07,1266.11
ENET_LX: L502.1 U501.3 | length 194.1
  L8 w3.5: 2344.71,1127.83 2344.71,1061.27 2361.15,1044.27 2361.15,1010.17 2359.65,999.31 2358.07,987.25 2359.07,968.57 2366.9,960.74 U501.3@2383.64,958.83
  other v1: 2328.03,1147.64
ENET_MDC: J203.18 R511.1 U508.5 | length 2224.6
  L1 w10.99: 2193.41,2391.99 2204.51,2380.89 ; 2248.91,2336.49 2260.01,2325.39 2268.22,2325.39 J203.18@2276.44,2325.39
  L1 w12.01: 2182.31,2403.09 2193.41,2391.99 ; 2204.51,2380.89 2215.61,2369.79 2226.71,2358.69 2237.81,2347.59 2248.91,2336.49
  L1 w14.05: v1(1910.32,2182.86) 1910.32,2198.63 1910.32,2249.94 2096.78,2436.39 2149.01,2436.39 2160.11,2425.29 2171.21,2414.19 2182.31,2403.09
  L6 w3.5: v1(1870.41,1805.19) 1880.76,1794.85 1891.11,1784.5 1901.46,1774.15 1911.81,1763.8 1922.15,1753.45 1932.26,1743.35 ; 1902.95,1689.54 1906.86,1699.56 1910.76,1709.58 ; 1999.12,1456.09 2010.19,1449.8 2019.27,1450.86
  L6 w3.83: 2031.81,1449.57 2042.63,1438.76 2053.44,1427.94 2064.26,1417.13 2075.07,1406.31 2085.88,1395.5 2096.7,1384.68 2107.51,1373.87 2118.33,1363.05 2129.14,1352.24 2139.96,1341.42 2150.77,1330.61 2161.59,1319.79 2172.4,1308.98 2183.22,1298.16 2194.03,1287.35 2204.85,1276.54
  L6 w4.85: 2204.85,1276.54 2215.66,1265.72 2226.48,1254.91 2237.29,1244.09 2249.33,1244.09 2261.37,1244.09 2273.41,1244.09
  L6 w5.87: 1988.62,1466.6 1999.12,1456.09
  L6 w6.9: 1920.86,1653.95 1929.81,1645 1938.77,1636.04 1947.72,1627.09 ; 2019.27,1450.86 2024.88,1450.86
  L6 w7.92: 1947.72,1571.08 1947.72,1585.08 1947.72,1599.08 ; 1947.72,1613.09 1947.72,1627.09 ; 1966.63,1510.17 1966.63,1499.37 1966.63,1488.58 1977.62,1477.59 1988.62,1466.6
  L6 w9.96: 1902.95,1689.54 1902.95,1680.7 1902.95,1671.86 1911.9,1662.91 1920.86,1653.95
  L6 w10.99: 1957.18,1519.62 1966.63,1510.17 ; 2273.41,1244.09 2282.7,1234.79 2292,1225.5 2301.3,1216.2 2310.6,1206.9 2319.9,1197.6 2331.65,1197.6
  L6 w12.01: 1910.76,1709.58 1921.63,1720.45 1932.26,1731.07 1932.26,1743.35
  L6 w14.05: 1947.72,1571.08 1947.72,1557.08 1947.72,1543.08 1947.72,1529.08 1957.18,1519.62 ; 1947.72,1599.08 1947.72,1613.09 ; 2024.88,1450.86 2026.16,1449.57 2031.81,1449.57 ; 2331.65,1197.6 2343.4,1197.6 v1@2355.15,1197.6
  L8 w3.5: 2144.23,1117.37 2157.25,1121.55 2170.28,1125.74 ; 2245.94,1125.74 2255.69,1135.5 2265.45,1145.25 2275.21,1155.01 2284.97,1164.77 2294.72,1174.52 2304.48,1184.28 2316.93,1184.28 2329.38,1184.28 2341.84,1184.28
  L8 w3.83: 2140.94,1114.09 2144.22,1117.37
  L8 w4.85: 1907.32,1858.28 1922,1858.28 ; 1916.01,1942.21 1926.88,1931.34 1937.75,1920.48 1937.75,1905.2 1937.75,1889.92 1937.75,1874.64 1937.75,1867.95 1928.08,1858.28 ; 2131.28,1110.99 2140.94,1114.09
  L8 w5.87: 1871.4,2143.94 1881.13,2153.67 1890.86,2163.4 ; 1922,1858.28 1928.08,1858.28
  L8 w6.9: R511.1@2121.62,1107.88 2131.28,1110.99 ; 2170.28,1125.74 2185.41,1125.74 2200.54,1125.74 2215.67,1125.74 2230.8,1125.74 2245.94,1125.74
  L8 w7.92: 2341.84,1184.28 2346.44,1188.88 v1(2355.15,1197.6)
  L8 w8.94: 1892.64,1858.28 1907.32,1858.28
  L8 w9.96: R511.1@2114.67,1100.95 R511.1@2121.61,1107.88
  L8 w14.05: v1(1870.41,1805.19) 1870.41,1824.75 1870.41,1857.31 U508.5@1864.14,1861.28 1892.64,1858.28 ; 1871.4,2143.94 1861.68,2134.21 1861.68,1996.55 1872.54,1985.68 1883.41,1974.81 1894.28,1963.95 1905.15,1953.08 1916.01,1942.21 ; 1890.86,2163.4 1900.59,2173.13 v1(1910.32,2182.86)